# KiCad board Ethernet_switch_4out.kicad_pcb (continued)
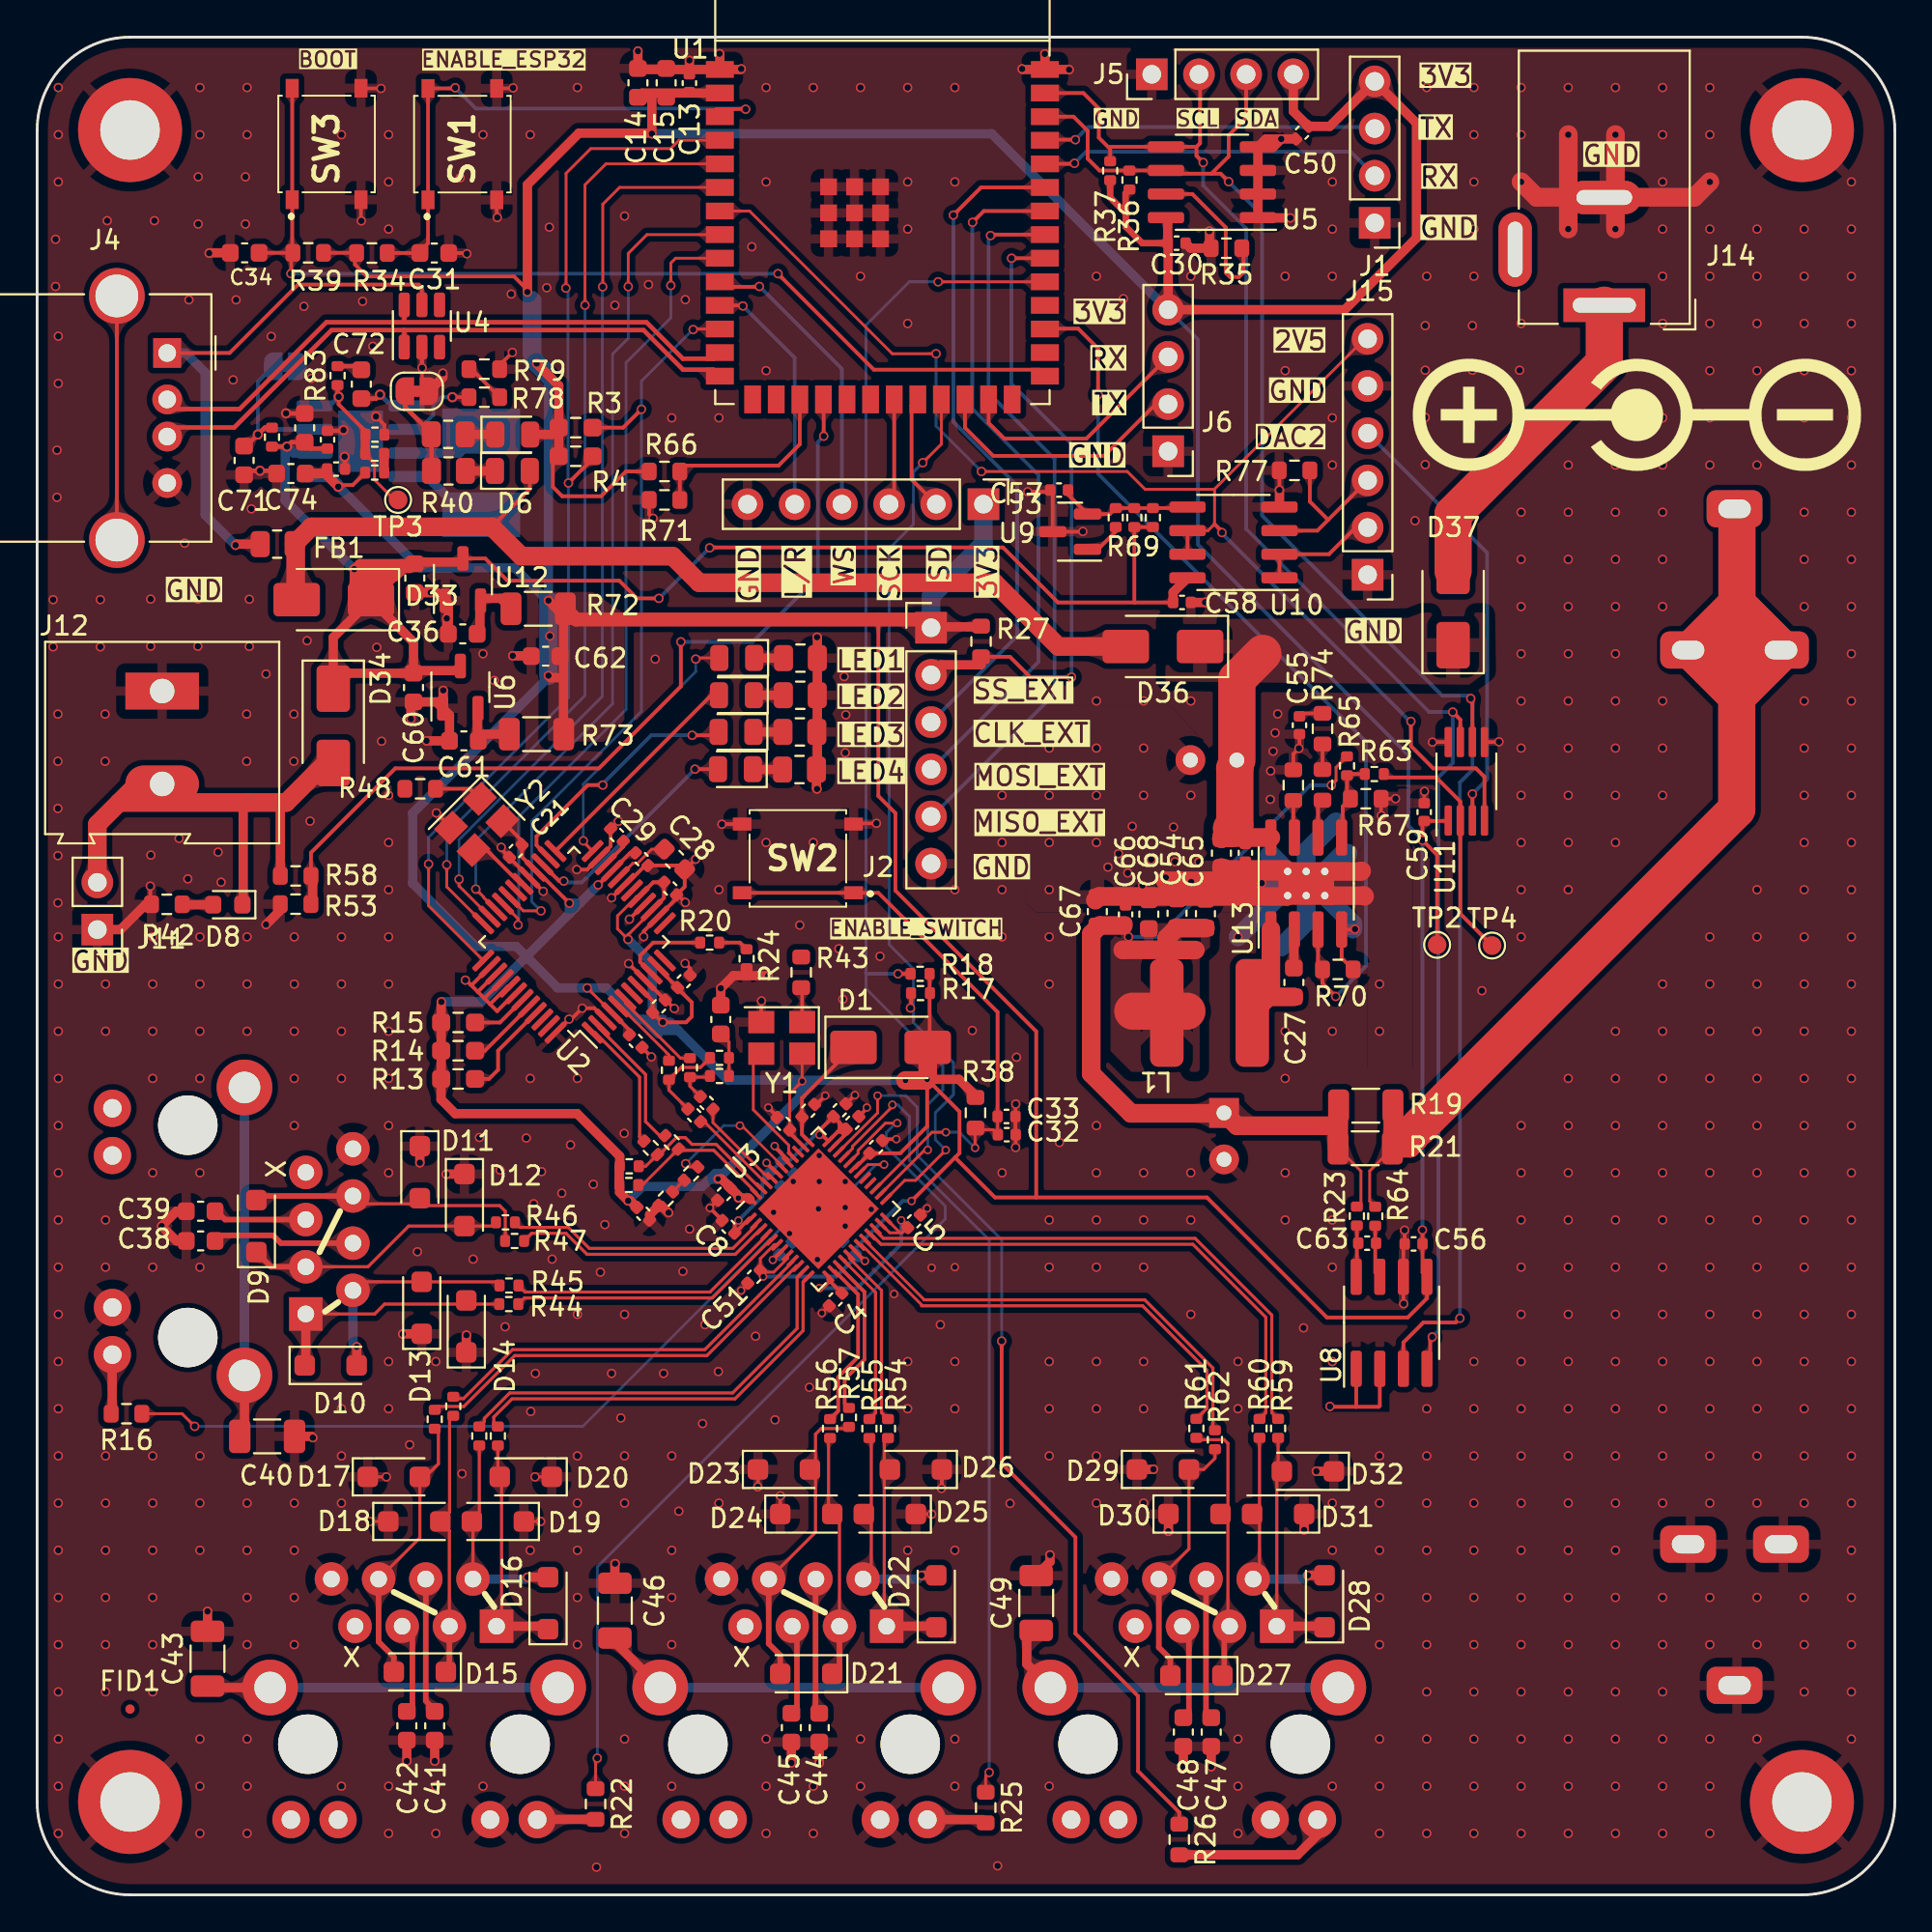
[diagram p0: board, top side]
## Routing (per net, layer and track width the routed paths; a pad name or vN(x,y) marks a point on that pad's centre or on a via; arc(x,y) is an arc through that point) (continued)
VBUS: length 30
  Top w0.2: J4.1 10.36,83 14.04,86.68 20.54,86.68 20.71,86.51 U4.5
  Top w0.5: FB1.2 10.74,72.71 v1(10.68,72.65)
  Bottom w0.5: J4.1 7.99,83 9.04,81.95 9.04,74.29 v1(10.68,72.65)
+BATT: length 29.6
  Top w0.5: D8.1 11.09,53.34 11.09,58.53 11.36,58.8 ; 13.41,58.8 13.09,58.48 R58.1
  Top w1: 4.41,58.8 13.41,58.8 15.54,60.93 D34.2 ; 4.41,58.8 5.41,59.8 J12.2 ; 4.41,58.8 3.24,57.63 J11.2
+VDC: length 99.6
  Top w0.2: U12.3 24.12,71.94 25.32,70.74 31.34,70.74 32.29,69.79 v1(33.47,69.79) ; 59.08,69.57 54.95,69.57 51.99,72.53 36.22,72.53 v1(36.2,72.51) ; 59.08,69.57 C58.2 ; 59.08,69.57 59.06,69.59 R69.1 R68.2
  Top w0.242: R33.2 v3(13.45,77.96) 13.69,78.19 C70.1 14.75,77.85 C37.2
  Top w0.5: v3(17.07,71.36) 17.36,71.66 C35.1 ; v3(17.07,71.36) 17.12,71.41 17.75,71.41 ; v3(17.07,71.36) 17.07,70.62 D33.1 ; v3(17.07,71.36) 17.49,70.94 17.49,70.2 D33.1 ; 18.56,71.41 19.22,71.41 ; 18.56,71.41 17.97,70.82 D33.1 ; 18.56,71.41 17.75,71.41 ; 19.22,71.41 19.73,71.41 ; 19.22,71.41 19.22,70.97 ; C35.1 20.42,71.74 22.72,71.74 U12.3 ; C35.1 20.08,71.41 19.73,71.41 ; 17.75,71.41 17.75,69.94 D33.1 ; U6.3 22.53,65.9 20.39,65.9 C60.1 ; 19.73,71.41 19.29,70.97 19.22,70.97 ; D33.1 15.94,67.69 D34.1 16.77,65.76 20.25,65.76 C60.1 ; D33.1 17.97,70.28 18.77,71.08 ; D33.1 20.26,67.43 C60.1 ; 19.22,70.97 18.91,70.66 ; C58.2 61.15,70.12 61.92,70.89
  Bottom w0.2: v1(33.47,69.79) 33.49,69.81 33.5,69.81 v1(36.2,72.51)
  Bottom w0.5: U7.6 13.8,77.61 v3(13.45,77.96) 13.35,77.86 13.35,75.06 17.05,71.36 v3(17.07,71.36)
/Cell/boot: length 2.1
  Top w0.5: C27.2 67.65,51.94 U13.2
/Cell/BUCK_EN: length 48.8
  Top w0.2: v1(57.11,80.76) 57.11,83.24 56.04,84.31 54.57,84.31 54.55,84.29 U1.29 ; U13.3 68.95,50.06 R70.1 69.19,49.07 v1(69.9,48.36)
  Bottom w0.2: v1(69.9,48.36) 71.53,49.99 71.53,62.08 57.11,76.5 v1(57.11,80.76)
/Cell/Buck_out: length 64.2
  Top w0.15: v1(69.67,59.73) 69.92,59.98 69.92,60.69 70.51,61.28 ; R21.1 71.26,38.96 71.26,37.27 R23.1
  Top w0.75: 58.47,52.18 C66.2
  Top w1: 62.35,50.86 60.84,50.86 ; 58.44,50.86 58.45,50.87 60.96,50.87 ; C65.1 61.38,52.04 C54.1 60.81,51.51 L1.2 60.81,51.04 ; R19.1 70.06,40.22 R21.1 70.03,41.07 69.7,41.4 64.58,41.4 C69.1 63.87,42.07 58.88,42.07 56.74,44.21 56.74,51.72 57.2,52.18 58.47,52.18
  Top w2: 58.98,47.57 61.89,47.57
  Bottom w0.2: v1(69.67,59.73) 68.53,59.73 60.37,51.57 v1(58.75,51.57)
/Cell/DAC1: length 13.2
  Top w0.2: R63.1 72.67,60.15 75.31,60.15 76.61,58.85 U11.2 76.61,52.81 TP4.1
/Cell/DAC2: length 23.8
  Top w0.2: v1(77.26,59.26) U11.3
  Bottom w0.2: v1(77.26,59.26) 78.05,60.05 78.05,72.25 J15.4
/Cell/FB: length 4.6
  Top w0.2: 70.22,56.92 70.28,56.97 70.28,58.59 R67.1 70.51,59.19 R65.1 70.58,60.33 R63.2
/Cell/Rlim: length 2
  Top w0.2: R76.1 67.62,56.97 67.68,56.92
/Cell/SW: length 7.5
  Top w1: C27.1 66.28,48.34 L1.1 66.41,48.47 U13.1
/Cell_V: length 47.3
  Top w0.2: v1(42.34,78.52) 42.34,80.48 U1.18 ; v1(34.65,67.45) 34.65,65.05 30.24,60.64 19.28,60.64 14.74,56.1 R58.2
  Top w0.5: 14.83,54.85 14.83,53.35 ; 14.84,54.46 14.83,54.45
  Bottom w0.2: v1(42.34,78.52) 42.03,78.21 42.03,70.96 38.52,67.45 v1(34.65,67.45)
/ESP_BOOT: length 54.7
  Top w0.2: v1(13.66,87.27) 13.68,87.29 13.68,88.39 13.73,88.44 SW3.1 ; v1(39.88,87.27) 39.88,87.26 45.04,82.1 53.9,82.1 U1.27 ; R39.1 C34.1
  Bottom w0.2: v1(39.88,87.27) v1(13.66,87.27)
/ESP_EN: length 29.8
  Top w0.2: 18.93,88.38 20.52,88.38 21.04,88.9 SW1.1 22.47,97.24 v1(22.5,97.28) ; 36.55,96.13 38.13,96.13 v1(38.14,96.12)
  Bottom w0.2: v1(38.14,96.12) 38.1,96.16 23.62,96.16 v1(22.5,97.28)
/green_LED1: length 47.6
  Top w0.15: R16.1 7.8,25.9 v1(8.48,25.22) ; v2(45.59,39.31) 44.72,39.31 U3.30
  Bottom w0.15: v2(45.59,39.31) 45.17,39.31 43.43,37.57 41.72,37.57 29.37,25.22 v1(8.48,25.22)
/green_LED2: length 48.8
  Top w0.15: U3.32 44.19,39.91 44.19,40.07 45.66,41.54 v2(46.3,41.54) ; v1(30.15,7.36) 30.06,7.27 30.06,5.72
  Bottom w0.15: v1(30.15,7.36) 30.16,7.37 30.16,17.66 48.88,36.38 48.88,37.08 45.7,40.26 45.7,41.03 46.21,41.54 v2(46.3,41.54)
/green_LED3: length 43.3
  Top w0.15: v1(51.25,6.59) 51.06,6.4 R25.1 ; U3.33 43.89,40.18 43.89,40.29 46.04,42.44 v2(46.04,42.53)
  Bottom w0.15: v1(51.25,6.59) 51.25,35.25 46.96,39.54 46.96,41.9 46.33,42.53 v2(46.04,42.53)
/green_LED4: length 50.7
  Top w0.15: v2(45.24,43.02) 45.24,42.09 U3.34
  Top w0.2: v1(51.92,29.81) 51.92,23.22 55.89,19.25 55.89,14.07 59.26,10.7 59.26,6.66 61.48,4.44 R26.1
  Bottom w0.15: v2(45.24,43.02) 46.75,43.02 47.37,42.4 47.37,39.82 51.92,35.27 v1(51.92,29.81)
/L/R: length 13.1
  Top w0.2: v1(37.99,85.53) 37.96,85.56 U1.11
  Bottom w0.2: v1(37.99,85.53) 40.78,82.74 J3.5
/MISO: length 44.6
  Top w0.15: v1(31.82,86.57) 31.82,88.36 32.83,89.37 U1.8 ; v1(23.61,54.14) 24.03,53.72 24.03,53.7 U2.34
  Bottom w0.15: v1(23.61,54.14) 23.61,56.75 30.98,64.12 30.98,82.95 31.82,83.79 v1(31.82,86.57)
/MOSI: length 48.9
  Top w0.15: v1(30.44,86.56) 30.45,86.57 30.45,91.01 31.35,91.91 U1.6 ; U2.35 22.71,54.31 v1(22.71,54.67)
  Bottom w0.15: v1(22.71,54.67) 22.71,56.8 30.43,64.52 30.43,86.55 v1(30.44,86.56)
/Output_port1/GREEN: length 3.1
  Top w0.5: J8.9 26.94,4.06 R22.2
/Output_port1/L_RD+: length 14.4
  Top w0.166: J8.3 22.19,19.61 D18.2 22.2,20.6 22.2,25.59 R51.2
  Top w0.3: D15.1 22.19,12.19 J8.3
/Output_port1/L_RD-: length 15
  Top w0.166: J8.6 20.6,19.22 D17.2 20.9,22.5 21.6,23.2 21.6,24.89 R52.2
  Top w0.3: D15.2 19.2,12.8 18.38,13.62 J8.6
/Output_port1/L_TD+: length 12.8
  Top w0.166: J8.1 25,14.73 25,22.4 D20.2 24.8,22.6 R49.2
  Top w0.5: J8.1 27.34,14.46 D16.1
/Output_port1/L_TD-: length 11.5
  Top w0.166: R50.2 23.8,20.5 D19.2 23.46,20.04 J8.2
  Top w0.5: D16.2 v1(26.4,17.1)
  Bottom w0.5: J8.2 26.3,17 v1(26.4,17.1)
/Output_port1/RD+: length 21.4
  Top w0.166: U3.9 40.68,34.09 35.94,29.35 25.59,29.35 22.95,26.71 22.5,26.71 R51.1
/Output_port1/RD-: length 22.8
  Top w0.166: U3.10 40.88,33.85 36.06,29.03 25.71,29.03 22.97,26.29 21.58,26.29 R52.1
/Output_port1/TD+: length 22.2
  Top w0.166: R49.1 24.58,25.43 24.58,25.72 25.56,26.7 37.56,26.7 41.23,30.37 41.23,32.99 U3.12
/Output_port1/TD-: length 22.6
  Top w0.166: R50.1 24.07,25.48 24.07,25.65 25.44,27.02 37.44,27.02 40.91,30.49 40.91,33.24 U3.11
/Output_port2/GREEN: length 3.2
  Top w0.5: J9.9 50.89,4.05 R25.2
/Output_port2/L_RD+: length 13.1
  Top w0.166: J9.3 43.19,20.11 D24.2 42.6,20.7 42.6,24.51 R56.2
  Top w0.3: D21.1 43.19,12.29 J9.3
/Output_port2/L_RD-: length 16.4
  Top w0.166: R57.2 43.61,25.1 42.2,25.1 41.9,24.8 41.9,23.2 D23.2 41.9,22.6 41.9,19.52 J9.6
  Top w0.3: J9.6 39.38,13.52 40,12.9 D21.2
/Output_port2/L_TD+: length 13.2
  Top w0.166: J9.1 45.6,14.59 45.6,22.6 D26.2 45.6,23.2 45.6,24.39 R54.2
  Top w0.5: D22.1 48.34,14.46 J9.1
/Output_port2/L_TD-: length 12.2
  Top w0.166: R55.2 44.9,24.49 44.9,20.9 D25.2 44.9,20.1 44.9,17.44 J9.2
  Top w0.5: D22.2 v1(47.6,17.2)
  Bottom w0.5: v1(47.6,17.2) 47.4,17 J9.2
/Output_port2/RD+: length 9.2
  Top w0.2: U3.14 42.94,33.57 44.19,32.32 44.19,28.95 43.12,27.88 43.12,26.05 R56.1
/Output_port2/RD-: length 8.8
  Top w0.2: U3.15 43.15,33.84 44.53,32.45 44.53,28.82 43.47,27.75 43.47,26.44 R57.1
/Output_port2/TD+: length 9.7
  Top w0.15: 45.45,32.54 43.72,34.27 43.72,34.36
  Top w0.166: U3.17 43.72,34.36 ; R54.1 45.45,25.96 45.45,32.54
/Output_port2/TD-: length 9.4
  Top w0.15: 43.49,34.14 43.49,34.07 45.13,32.43
  Top w0.166: U3.16 43.49,34.14 ; 45.13,32.43 45.13,25.94 R55.1
/Output_port3/GREEN: length 8.7
  Top w0.5: R26.2 67.84,2.16 68.92,3.23 J10.9
/Output_port3/L_RD+: length 14.9
  Top w0.166: R61.2 62.5,24.5 63.9,24.5 64.1,24.3 64.1,20.9 D30.2 64.1,20.1 64.1,14.55 J10.3
  Top w0.3: J10.3 63.9,14.17 63.9,11.9 D27.1
/Output_port3/L_RD-: length 14.2
  Top w0.166: J10.6 62,18.62 D29.2 62.8,22.9 63.4,23.5 R62.2
  Top w0.3: D27.2 61,12.7 60.38,13.32 J10.6
/Output_port3/L_TD+: length 12.9
  Top w0.166: R59.2 66.8,23 D32.2 66.73,22.53 J10.1
  Top w0.5: J10.1 69.24,14.46 D28.1
/Output_port3/L_TD-: length 12
  Top w0.166: J10.2 65.8,17.34 65.8,20.1 D31.2 65.8,20.9 R60.2
  Top w0.5: D28.2 v1(68.4,17.2)
  Bottom w0.5: J10.2 68.2,17 v1(68.4,17.2)
/Output_port3/RD+: length 24.4
  Top w0.15: 47.61,31.71 47.61,31.76 44.38,34.99 44.33,34.99
  Top w0.166: U3.19 44.33,34.99 ; 47.61,31.71 59.5,31.71 62.97,28.24 62.97,26.19 R61.1
/Output_port3/RD-: length 25
  Top w0.15: 47.74,32.03 47.74,32.05 44.58,35.2 44.57,35.2
  Top w0.166: U3.20 44.57,35.2 ; R62.1 63.29,25.12 63.29,28.36 59.62,32.03 47.74,32.03
/Output_port3/TD+: length 29
  Top w0.166: R59.1 66.46,25.96 66.46,31.21 62.33,35.34 45.55,35.34 45.13,35.76 U3.22
/Output_port3/TD-: length 28.7
  Top w0.166: U3.21 44.9,35.55 45.43,35.02 62.21,35.02 66.14,31.09 66.14,25.96 R60.1
/Output_port/GREEN: length 3.2
  Top w0.5: J7.9 4.04,29.07 4.04,25.95 R16.2
/Output_port/L_RD+: length 14.2
  Top w0.166: R46.2 24.5,36 D12.2 20,36 17.81,33.81 J7.3
  Top w0.3: D9.1 12.59,33.81 J7.3
/Output_port/L_RD-: length 15.7
  Top w0.166: J7.6 17.42,37.2 20.3,37.2 D11.2 21,37.1 24.9,37.1 25.2,36.8 25.2,35.21 R47.2
  Top w0.3: D9.2 12.02,37.62 J7.6
/Output_port/L_TD+: length 13.4
  Top w0.166: J7.1 18.17,31.27 18.7,31.8 R44.2
  Top w0.5: D10.1 14.46,28.56 J7.1
/Output_port/L_TD-: length 12.3
  Top w0.166: R45.2 24.69,33 17.46,33 J7.2
  Top w0.5: D10.2 v1(17.2,29.5)
  Bottom w0.5: J7.2 17,29.7 v1(17.2,29.5)
/Output_port/RD+: length 14.2
  Top w0.166: R46.1 25.99,35.93 28.59,35.93 29.72,34.8 37.46,34.8 38.7,36.04 U3.2
/Output_port/RD-: length 14
  Top w0.166: R47.1 26.62,35.61 28.47,35.61 29.6,34.48 37.58,34.48 38.93,35.83 U3.3
/Output_port/TD+: length 15.1
  Top w0.166: R44.1 26.23,32.13 36.34,32.13 39.48,35.27 U3.5
/Output_port/TD-: length 14.8
  Top w0.166: R45.1 26.26,32.45 36.22,32.45 39.27,35.5 U3.4
/power/EN: length 9.1
  Top w0.242: R33.1 12.25,78.98 11.26,77.99 C71.1
  Bottom w0.2: v3(11.88,78.61) 11.88,81.45 JP2.2
  Bottom w0.242: v3(11.88,78.61) 12.16,78.89 U7.7
/power/FB: length 9.1
  Top w0.15: R82.1 18.16,77.07 18.16,76.17 19.24,75.09 TP3.1
  Top w0.2: v3(16.23,80.64) 16.23,80.23 17.67,78.78 R80.2
  Top w0.242: R83.1 16.17,80.7 v3(16.23,80.64)
  Top w0.5: R80.2 17.66,78.59 R82.1
  Bottom w0.242: v3(16.23,80.64) 15.75,80.16 U7.8
/Rail_V: length 11
  Top w0.2: R71.1 R66.2 34.92,76.94 39.91,76.94 41.06,78.08 U1.17
/SCK : length 5.8
  Top w0.2: J3.3 46.14,75.14 U1.21
/SCLK: length 43.3
  Top w0.15: U2.33 25.89,52.54 v1(25.89,52.21) ; U1.9 34.37,88.1 34.11,87.84 v1(34.11,86.63)
  Bottom w0.15: v1(25.89,52.21) 25.92,52.24 25.92,58.03 31.7,63.81 31.7,82.48 34.11,84.89 v1(34.11,86.63)
/SD: length 6.3
  Top w0.2: U1.22 47.07,80.17 47.07,76.19 J3.2
/SWITCH_EN: length 32.3
  Top w0.15: v2(50.49,40.21) 50.49,41.17 50.51,41.19 51.45,41.19 51.72,40.92 51.7,40.94 C33.2 ; U3.27 45.15,38.03 48.17,41.05 v2(48.92,41.05)
  Top w0.2: SW2.1 SW2.1 45.28,53.94 51.7,47.52 C33.2
  Bottom w0.15: v2(48.92,41.05) 49.65,41.05 v2(50.49,40.21)
/W5500_LED1: length 14.3
  Top w0.15: v1(29.4,56.74) 29.4,56.69 U2.24 ; v1(35.45,66.52) 35.51,66.58 D5.2
  Bottom w0.15: v1(35.45,66.52) 35.45,65.84 29.4,59.79 v1(29.4,56.74)
/W5500_LED2: length 12.3
  Top w0.2: D4.2 36.29,64.58 U2.25
/W5500_LED3: length 13.6
  Top w0.2: v1(30.45,59.74) 29.64,59.74 26.88,56.98 26.88,56.5 U2.26 ; D3.2 36.5,62.42 v1(35.26,62.42)
  Bottom w0.2: v1(30.45,59.74) 30.45,59.81 33.06,62.42 v1(35.26,62.42)
/W5500_LED4: length 12.4
  Top w0.2: U2.27 28.1,54.57 v1(28.35,54.57) ; v1(35.41,60.6) D2.2
  Bottom w0.2: v1(28.35,54.57) 28.42,54.5 29.31,54.5 35.41,60.6 v1(35.41,60.6)
/WS: length 15.8
  Top w0.2: v1(38.88,86.58) 38.86,86.56 37.02,86.56 U1.10
  Bottom w0.2: J3.4 43.32,82.14 v1(38.88,86.58)
/~{INT}: length 51.4
  Top w0.15: v1(22.05,55.45) 22.05,54.26 U2.36 ; v1(29.49,85.57) 29.49,92.05 30.62,93.18 U1.5
  Bottom w0.15: v1(29.49,85.57) 29.49,64.56 22.05,57.12 v1(22.05,55.45)
/~{RST}: length 57.8
  Top w0.15: v1(28.46,86.49) 28.47,86.5 28.47,92.67 29.8,94 34.1,94 34.55,94.45 U1.4 ; U2.37 21.07,53.24 v1(21.07,55.49)
  Top w0.2: R4.2 29.9,77.3 v1(28.6,76)
  Bottom w0.15: v1(21.07,55.49) 21.07,56.92 28.6,64.45 v1(28.6,76) 28.57,76.03 28.57,86.38 v1(28.46,86.49)
/~{SCS}: length 41.6
  Top w0.15: U1.12 35.34,84.29 v1(35.31,84.26) ; v1(27.12,52.97) 26.17,52.97 U2.32
  Top w0.2: R3.2 31.54,78.98 v1(32.53,79.97)
  Bottom w0.15: v1(27.12,52.97) 26.62,53.47 26.62,57.8 32.53,63.71 v1(32.53,79.97) 32.53,81.49 35.3,84.26 v1(35.31,84.26)
CLK_EXT: length 36.2
  Top w0.2: v1(49.32,90.42) 50.81,91.91 U1.35
  Bottom w0.2: v1(49.32,90.42) 49.32,79.29 52.75,75.86 52.75,67.76 J2.3
D+: length 34.1
  Top w0.242: U4.1 19.76,84.22 19.75,84.23 ; J4.3 7.49,78.99 10.61,78.99 15.85,84.23 19.75,84.23 ; U1.14 36.4,82.1 34.77,82.1 32.64,84.23 19.75,84.23
D-: length 33.8
  Top w0.242: U4.6 19.76,84.67 19.78,84.65 ; 19.78,84.65 32.8,84.65 34.76,82.69 36.42,82.69 U1.13 ; 19.78,84.65 15.57,84.65 10.9,79.98 7.52,79.98 J4.2
MISO_EXT: length 38.5
  Top w0.2: v1(51.32,89.32) 51.37,89.37 U1.33
  Bottom w0.2: v1(51.32,89.32) 51.21,89.21 51.21,80.85 54.77,77.29 54.77,64.65 48.17,58.05 J2.5
MOSI_EXT: length 37.5
  Top w0.2: v1(50.35,90.03) 50.96,90.64 U1.34
  Bottom w0.2: J2.4 53.9,66.37 53.9,76.44 50.34,80 50.34,90.02 v1(50.35,90.03)
REF_2v5: length 74.8
  Top w0.15: U1.7 38.35,90.64 46.03,82.96 v1(48.39,82.96) ; 63.38,75.67 71.47,83.76 J15.6 ; 63.38,75.67 63.36,75.66 59.64,75.66 58.68,76.62 v1(50.83,76.62) ; 63.38,75.67 63.38,73.79 63.03,73.44 61.92,73.44
  Top w0.2: 63.38,73.79 63.78,73.39 v1(63.78,73.33) ; v1(73.95,63.17) 73.95,61.84 75.15,60.64 77.45,60.64 77.91,60.18 U11.4 ; 61.92,73.44 61.92,72.17
  Bottom w0.15: v1(50.83,76.62) 48.39,79.06 v1(48.39,82.96)
  Bottom w0.2: v1(63.78,73.33) 63.78,73.29 73.9,63.17 v1(73.95,63.17)
RX: length 13.1
  Top w0.2: J6.3 56.48,78.39 52.06,78.39 51.22,79.23 U1.25
SCL: length 89.7
  Top w0.2: J5.2 62.6,97.94 62.6,94.29 62.41,94.09 ; 57.64,94.09 57.15,94.59 57.15,96.16 56.32,96.99 U1.39 ; 57.64,94.09 57.76,93.98 R37.2 ; 57.64,94.09 U5.5 62.41,94.09 ; 62.41,94.09 62.41,93.62 v1(62.77,93.25) ; v1(75.1,30.03) 74.99,29.92 74.99,28.5 U8.4 ; 76.61,62.06 76.61,63.26 v1(76.2,63.67)
  Bottom w0.2: v1(62.77,93.25) 62.77,92.01 65.08,89.7 65.08,73.53 74.94,63.67 v1(76.2,63.67) 76.2,60.92 75.43,60.15 75.43,30.36 v1(75.1,30.03)
SCL/MDC: length 48.9
  Top w0.15: v1(47.67,77.09) 48.67,78.09 U1.23 ; v2(48.91,40.09) 47.28,38.46 46.7,38.46 U3.25
  Top w0.2: R17.2 47.04,47.77 v1(47.01,47.74)
  Bottom w0.15: v1(47.67,77.09) 47.17,76.59 47.17,73.78 45.86,72.47 45.86,51.16 47.17,49.85 47.17,46.96 49.32,44.81 49.32,43.07 48.35,42.1 48.35,40.65 v2(48.91,40.09)
  Bottom w0.2: 47.17,47.66 47.09,47.74 v1(47.01,47.74)
SDA: length 93.5
  Top w0.2: R36.2 57.19,92.82 56.55,93.46 56.55,94.96 55.79,95.72 U1.38 ; 63.21,92.65 63.71,92.65 v1(64.14,92.22) ; 63.21,92.65 60.94,92.65 U5.6 58.69,92.83 ; 63.21,92.65 64.14,93.58 64.14,94.72 65.08,95.66 J5.3 ; 77.26,62.06 77.26,64.31 v1(77.17,64.4) ; v1(76.59,31.04) 76.36,30.81 74.62,30.81 73.55,29.73 U8.3
  Bottom w0.2: v1(64.14,92.22) 65.94,90.42 65.94,74.25 75.64,64.55 77.02,64.55 v1(77.17,64.4) 77.26,64.31 77.26,60.56 76.59,59.89 v1(76.59,31.04)
SDA/MDIO: length 63
  Top w0.15: v2(47.94,40.1) 47.78,40.1 45.42,37.74 U3.26 ; v1(48.5,86.83) U1.31
  Top w0.2: R18.2 v1(46.34,49.58)
  Bottom w0.15: v2(47.94,40.1) 47.94,42.53 48.75,43.34 48.75,44.65 44.61,48.79 44.61,84.5 46.94,86.83 v1(48.5,86.83)
  Bottom w0.2: 44.61,49.62 44.65,49.58 v1(46.34,49.58)
SS_EXT: length 34.4
  Top w0.2: v1(52.45,88.1) U1.32 ; v1(55.68,65.55) 53.46,65.55 52.36,66.64 R27.2
  Top w0.5: R27.2 50.81,66.21 48.66,66.21 J2.2
  Bottom w0.2: v1(55.68,65.55) 55.68,78.1 52.44,81.34 52.44,88.09 v1(52.45,88.1)
TX: length 14.2
  Top w0.2: J6.2 60.22,80.25 57.43,77.46 51.46,77.46 49.94,78.97 U1.24
Net-(C23-Pad1): length 2.4
  Top w0.166: C23.1 35.14,43.53 R5.1 36.16,44.02 R10.2
Net-(C24-Pad1): length 4.7
  Top w0.166: C24.1 34.01,43.32 R6.1 34.67,44.54 35.7,44.54 R9.2
Net-(C26-Pad2): length 2.4
  Top w0.166: C26.2 37.24,45.91 R10.1
Net-(C55-Pad1): length 1.3
  Top w0.2: C55.1 68.11,63.6 R74.2
Net-(C72-Pad1): length 1.4
  Top w0.242: R83.2 17.25,82.29 C72.1
Net-(D1-K): length 6.4
  Top w0.2: D1.1 43.9,45.62 41.17,42.89 C16.2 41.17,40.93 U3.37
Net-(D2-K): length 1.6
  Top w0.5: R28.1 38.55,60.58 D2.1
Net-(D3-K): length 1.6
  Top w0.5: 40.14,62.6 D3.1
Net-(D4-K): length 1.6
  Top w0.5: D4.1 R30.1
Net-(D5-K): length 1.6
  Top w0.5: R31.1 38.61,66.57 D5.1
Net-(D6-K): length 1.6
  Top w0.5: R40.1 D6.1
Net-(D7-K): length 1.6
  Top w0.5: D7.1 24.65,78.62 R41.1
Net-(D8-A): length 1.7
  Top w0.5: R42.2 7.83,53.3 D8.2
Net-(D37-A): length 17.7
  Top w2: J14.1 84.36,82.46 76.22,74.32 D37.2
Net-(J1-Pin_2): length 18.6
  Top w0.2: v1(55.84,93.21) 55.81,93.18 U1.36
  Bottom w0.2: J1.2 70.71,93.83 56.46,93.83 v1(55.84,93.21)
Net-(J1-Pin_3): length 18.1
  Top w0.2: v1(55.89,94.48) 54.28,94.48 U1.37
  Bottom w0.2: v1(55.89,94.48) 56.57,95.16 71.92,95.16 J1.3
Net-(J7-RCT): length 5
  Top w0.3: J7.5 10.11,36.35 9.66,36.8
Net-(J7-SHIELD): length 18.9
  Top w0.5: C40.1 11.16,24.94 J7.15
  Bottom w0.5: J7.15 J7.15
Net-(J7-TCT): length 7.6
  Top w0.3: J7.4 13.12,35.08 12.7,35.5 9.96,35.5 9.66,35.2
Net-(J8-RCT): length 4.8
  Top w0.3: 19.9,9.96 20.2,10.26 20.2,13.91 J8.5
Net-(J8-SHIELD): length 18.9
  Top w0.5: J8.15 9.24,11.16 C43.1
  Bottom w0.5: J8.15 J8.15
Net-(J8-TCT): length 7.2
  Top w0.3: 21.4,9.96 20.92,10.44 J8.4
Net-(J9-RCT): length 4.8
  Top w0.3: J9.5 40.9,14.21 40.9,10.16 40.6,9.86
Net-(J9-SHIELD): length 19.2
  Top w0.5: J9.15 31.1,13.6 31.1,13.82
  Bottom w0.5: J9.15 J9.15
Net-(J9-TCT): length 7.2
  Top w0.3: 42.1,9.86 41.9,10.06 41.9,16.98 J9.4
Net-(J10-RCT): length 5.1
  Top w0.3: J10.5 62,14.11 62,9.93 61.7,9.62
Net-(J10-SHIELD): length 19.3
  Top w0.5: C49.1 53.27,13.72 53.27,12.43 J10.15
  Bottom w0.5: J10.15 J10.15
Net-(J10-TCT): length 7.5
  Top w0.3: J10.4 62.92,9.91 63.2,9.62
Net-(J13-Pin_1): length 68.9
  Top w0.15: R64.1 71.73,37.34 71.73,38.97 R21.2
  Top w1: 74.35,41.3 74.35,40.61 73.93,40.19 R21.2 72.98,40.22 R19.2 ; 89,67 94,67 ; 73.07,40.73 74.05,40.73
  Top w2: 91.49,64.51 91.49,58.44 74.35,41.3 ; 91.49,64.51 91.5,64.52 91.5,69.5 ; 91.49,64.51 91.51,64.51 94,67 91.5,69.5 ; 91.49,64.51 89,67 91.5,69.5 ; 91.5,69.5 91.5,74.6
Net-(J15-Pin_2): length 6.6
  Top w0.2: U10.1 U10.2 69.53,72.17 70.97,73.6 J15.2
Net-(J15-Pin_3): length 8.9
  Top w0.2: U10.3 68.92,73.44 69.5,74.02 ; 69.5,74.02 68.51,75 R77.1 ; 69.5,74.02 J15.3
Net-(JP1-B): length 4.9
  Top w0.242: JP1.2 19.81,80.92 19.81,80.09 21.23,78.67 R40.2
Net-(R11-Pad2): length 0.9
  Top w0.15: R11.2 34.21,37.84 R12.1
Net-(R20-Pad1): length 1.6
  Top w0.2: R20.1 37.83,51.26 R24.2
Net-(R43-Pad2): length 1.9
  Top w0.2: Y1.1 41.18,48.78 R43.2
Net-(R48-Pad2): length 2.6
  Top w0.2: Y2.1 23.3,59.54 21.44,59.54
Net-(R74-Pad1): length 1.4
  Top w0.2: R75.2 R74.1
Net-(R78-Pad2): length 2.3
  Top w0.2: R79.1 23.39,82.13 R78.2
Net-(R81-Pad1): length 1
  Top w0.5: R82.2 R81.1
Net-(U2-1V2O): length 1.6
  Top w0.2: C29.2 31.55,56.42 U2.22
Net-(U2-EXRES1): length 4.7
  Top w0.2: U2.10 32.46,50.21 32.46,50.56 33.16,51.26 R20.2
Net-(U2-PMODE0): length 5.3
  Top w0.2: R13.1 24.32,43.92 24.81,44.41 24.81,45.44 U2.45
Net-(U2-PMODE1): length 3.9
  Top w0.2: U2.44 24.1,45.44 R14.1
Net-(U2-PMODE2): length 3.1
  Top w0.2: U2.43 24.91,46.96 R15.1
Net-(U2-RXN): length 4.1
  Top w0.15: R6.2 34.01,45.21 31.39,47.83 U2.5
Net-(U2-RXP): length 4.9
  Top w0.15: R5.2 34.63,45.04 31.67,48 U2.6
Net-(U2-TOCAP): length 3.1
  Top w0.15: U2.20 32.07,55.53 32.32,55.53 33.08,56.29 C28.2
Net-(U2-TXN): length 7.1
  Top w0.166: R7.2 32.43,40.81 32.43,44.02 30.04,46.41 U2.1
Net-(U2-TXP): length 7.5
  Top w0.166: U2.2 30.25,46.66 32.75,44.16 32.75,41.63 33.51,40.87 R8.2
Net-(U2-XI/CLKIN): length 3.4
  Top w0.2: Y2.3 24.2,56.24 26.02,54.42 U2.30
Net-(U3-IBREF): length 7.7
  Top w0.128: 37.86,41.41 37.93,41.41 40.11,39.23 40.11,39.16
  Top w0.15: 40.11,39.16 U3.42 ; R12.2 35.08,39.19 v1(34.91,39.36) ; v2(37.83,41.41) 37.86,41.41
  Bottom w0.15: v2(37.83,41.41) 36.96,41.41 v1(34.91,39.36)
Net-(U3-RXIN0): length 4.9
  Top w0.15: C24.2 35.91,41.62 39.22,38.31 U3.45
Net-(U3-RXIP0): length 5.1
  Top w0.15: U3.44 39.37,38.59 39.15,38.82 39.13,38.82 36.38,41.57 C23.2
Net-(U3-TXIN0): length 8.4
  Top w0.15: R1.1 32.76,39.22 R7.1
  Top w0.166: R7.1 33.5,39.85 34.41,40.76 34.89,40.76 35.25,40.4 36.55,40.4 38.92,38.03 U3.46
Net-(U3-TXIP0): length 8.2
  Top w0.15: R8.1 32.58,38.21 R2.1
  Top w0.166: U3.47 38.7,37.8 36.42,40.08 34.46,40.08
Net-(U3-XI): length 6.6
  Top w0.15: U3.40 40.45,39.95 40.45,40.36 38.55,42.26 38.55,44.85 Y1.3
Net-(U5-WP): length 8.9
  Top w0.2: 64.93,88.64 64.93,87.33 64.69,87.09 64.21,87.09 63.98,87.32 63.98,89.76 62.19,91.56 U5.7
Net-(U6-VO): length 4.7
  Top w0.5: 23.7,63.68 23.7,62.48 R73.2 ; 23.7,63.68 23.7,63.84 U6.2 ; 23.7,63.68 23.7,62.17 C61.1
Net-(U7-Rt): length 4.4
  Top w0.2: R78.1 v3(22.35,80.62)
  Bottom w0.2: v3(22.35,80.62) 21.75,80.62 21.32,80.19 21.32,79.66 20.55,78.89 U7.2
Net-(U7-SW1): length 4.5
  Bottom w0.5: L2.1 22.72,77.61 U7.3
Net-(U7-SW2): length 4.9
  Bottom w0.5: U7.4 21,76.34 23.05,74.29 L2.2
Net-(U7-Vc): length 2.8
  Top w0.242: v3(18.46,80.76) 18.25,80.55 C72.2
  Bottom w0.242: v3(18.46,80.76) 18.86,80.36 19.68,80.36 U7.1
Net-(U8-IN+): length 2.8
  Top w0.2: R23.2 71.04,33.31 U8.8
Net-(U8-IN-): length 2.9
  Top w0.2: R64.2 72.03,33.52 72.28,33.27
Net-(U9-REF): length 2.2
  Top w0.2: U9.1 57.1,72.43 58.08,73.41 58.08,73.61 R32.1
Net-(U12-VO): length 4
  Top w0.5: 23.83,69.79 23.87,69.75 U12.2 ; 23.83,69.79 23.83,68.03 C36.1 ; 23.83,69.79 24.95,69.79 R72.2
Net-(U13-COMP): length 2.1
  Top w0.2: 68.95,56.92 68.95,58.69 R75.1
unconnected-(J4-Shield-Pad5): length 13.1
  Top w0.2: J4.5 J4.5

## Copper pours and planes (outline as drawn; the poured copper is in the pictures)
+3V3 on Top: 27.51,70.34 27.49,62.12 30.49,62.06 31.61,63.25 31.61,68.96 29.63,70.33
/Cell/Vin_buck on Top: 60.73,68.66 60.73,65.31 77.09,65.14 78.02,65.83 77.98,69.03 74.54,69.03 73.8,68.75
GND on Top: 65.32,52.87 65.64,53.19 69.41,53.19 69.62,52.98 69.62,51 69.94,50.68 71.19,50.68 71.6,50.3 71.6,44.54 74.05,44.54 74.05,59.49 73.61,59.68 72,59.67 71.52,59.26 71.51,56.61 70.8,55.84 65.75,55.84 65.51,56.08 63.05,56.08 63.05,61.78 61.04,63.99 54.01,63.99 53.22,63.2 53.22,53.37 53.8,52.88
GND on Top, Bottom: -14.1,109.99 -14.1,-8.67 103.47,-8.67 102.56,109.39
GND on In1.Cu, In2.Cu: -16.63,112.1 -16.63,-11.64 108.58,-11.64 115.85,-4.37 115.85,115.59 -13.14,115.59
/Cell/Buck_out on Top: 62.58,50.52 63.86,51.67 63.86,52.19 63.34,52.71 57.85,52.71 57.78,52.64 57.78,45.42 58.9,44.3 62.47,44.3 62.58,44.41

Small or netless copper shapes (teardrops, artwork), in the pictures only: 665 on Top, 138 on Bottom, 4 on In2.Cu

## Text on the board
B.Silkscreen: GND | SCL | SDA | 3V3 | RX | TX | 2V5 | DAC2 | L/R | WS | SCK | SD
F.Silkscreen: BOOT | ENABLE_ESP32 | ENABLE_SWITCH | GND | SCL | SDA | LED1 | LED2 | LED3 | LED4 | CLK_EXT | MOSI_EXT | MISO_EXT | SS_EXT | 3V3 | RX | TX | DAC2 | 2V5 | L/R | WS | SCK | SD
